# Altium PCB PCB_Amplifier.PcbDoc (part 3 of 4)
Units mm, origin at the board's own origin, x right, y up, seen from the top; angles counter-clockwise.
Board outline 86.5 x 99 mm, 4 copper layers (Top Layer, GND, VDD, Bottom Layer); 211 components, 150 nets, 661 pads, 341 vias.
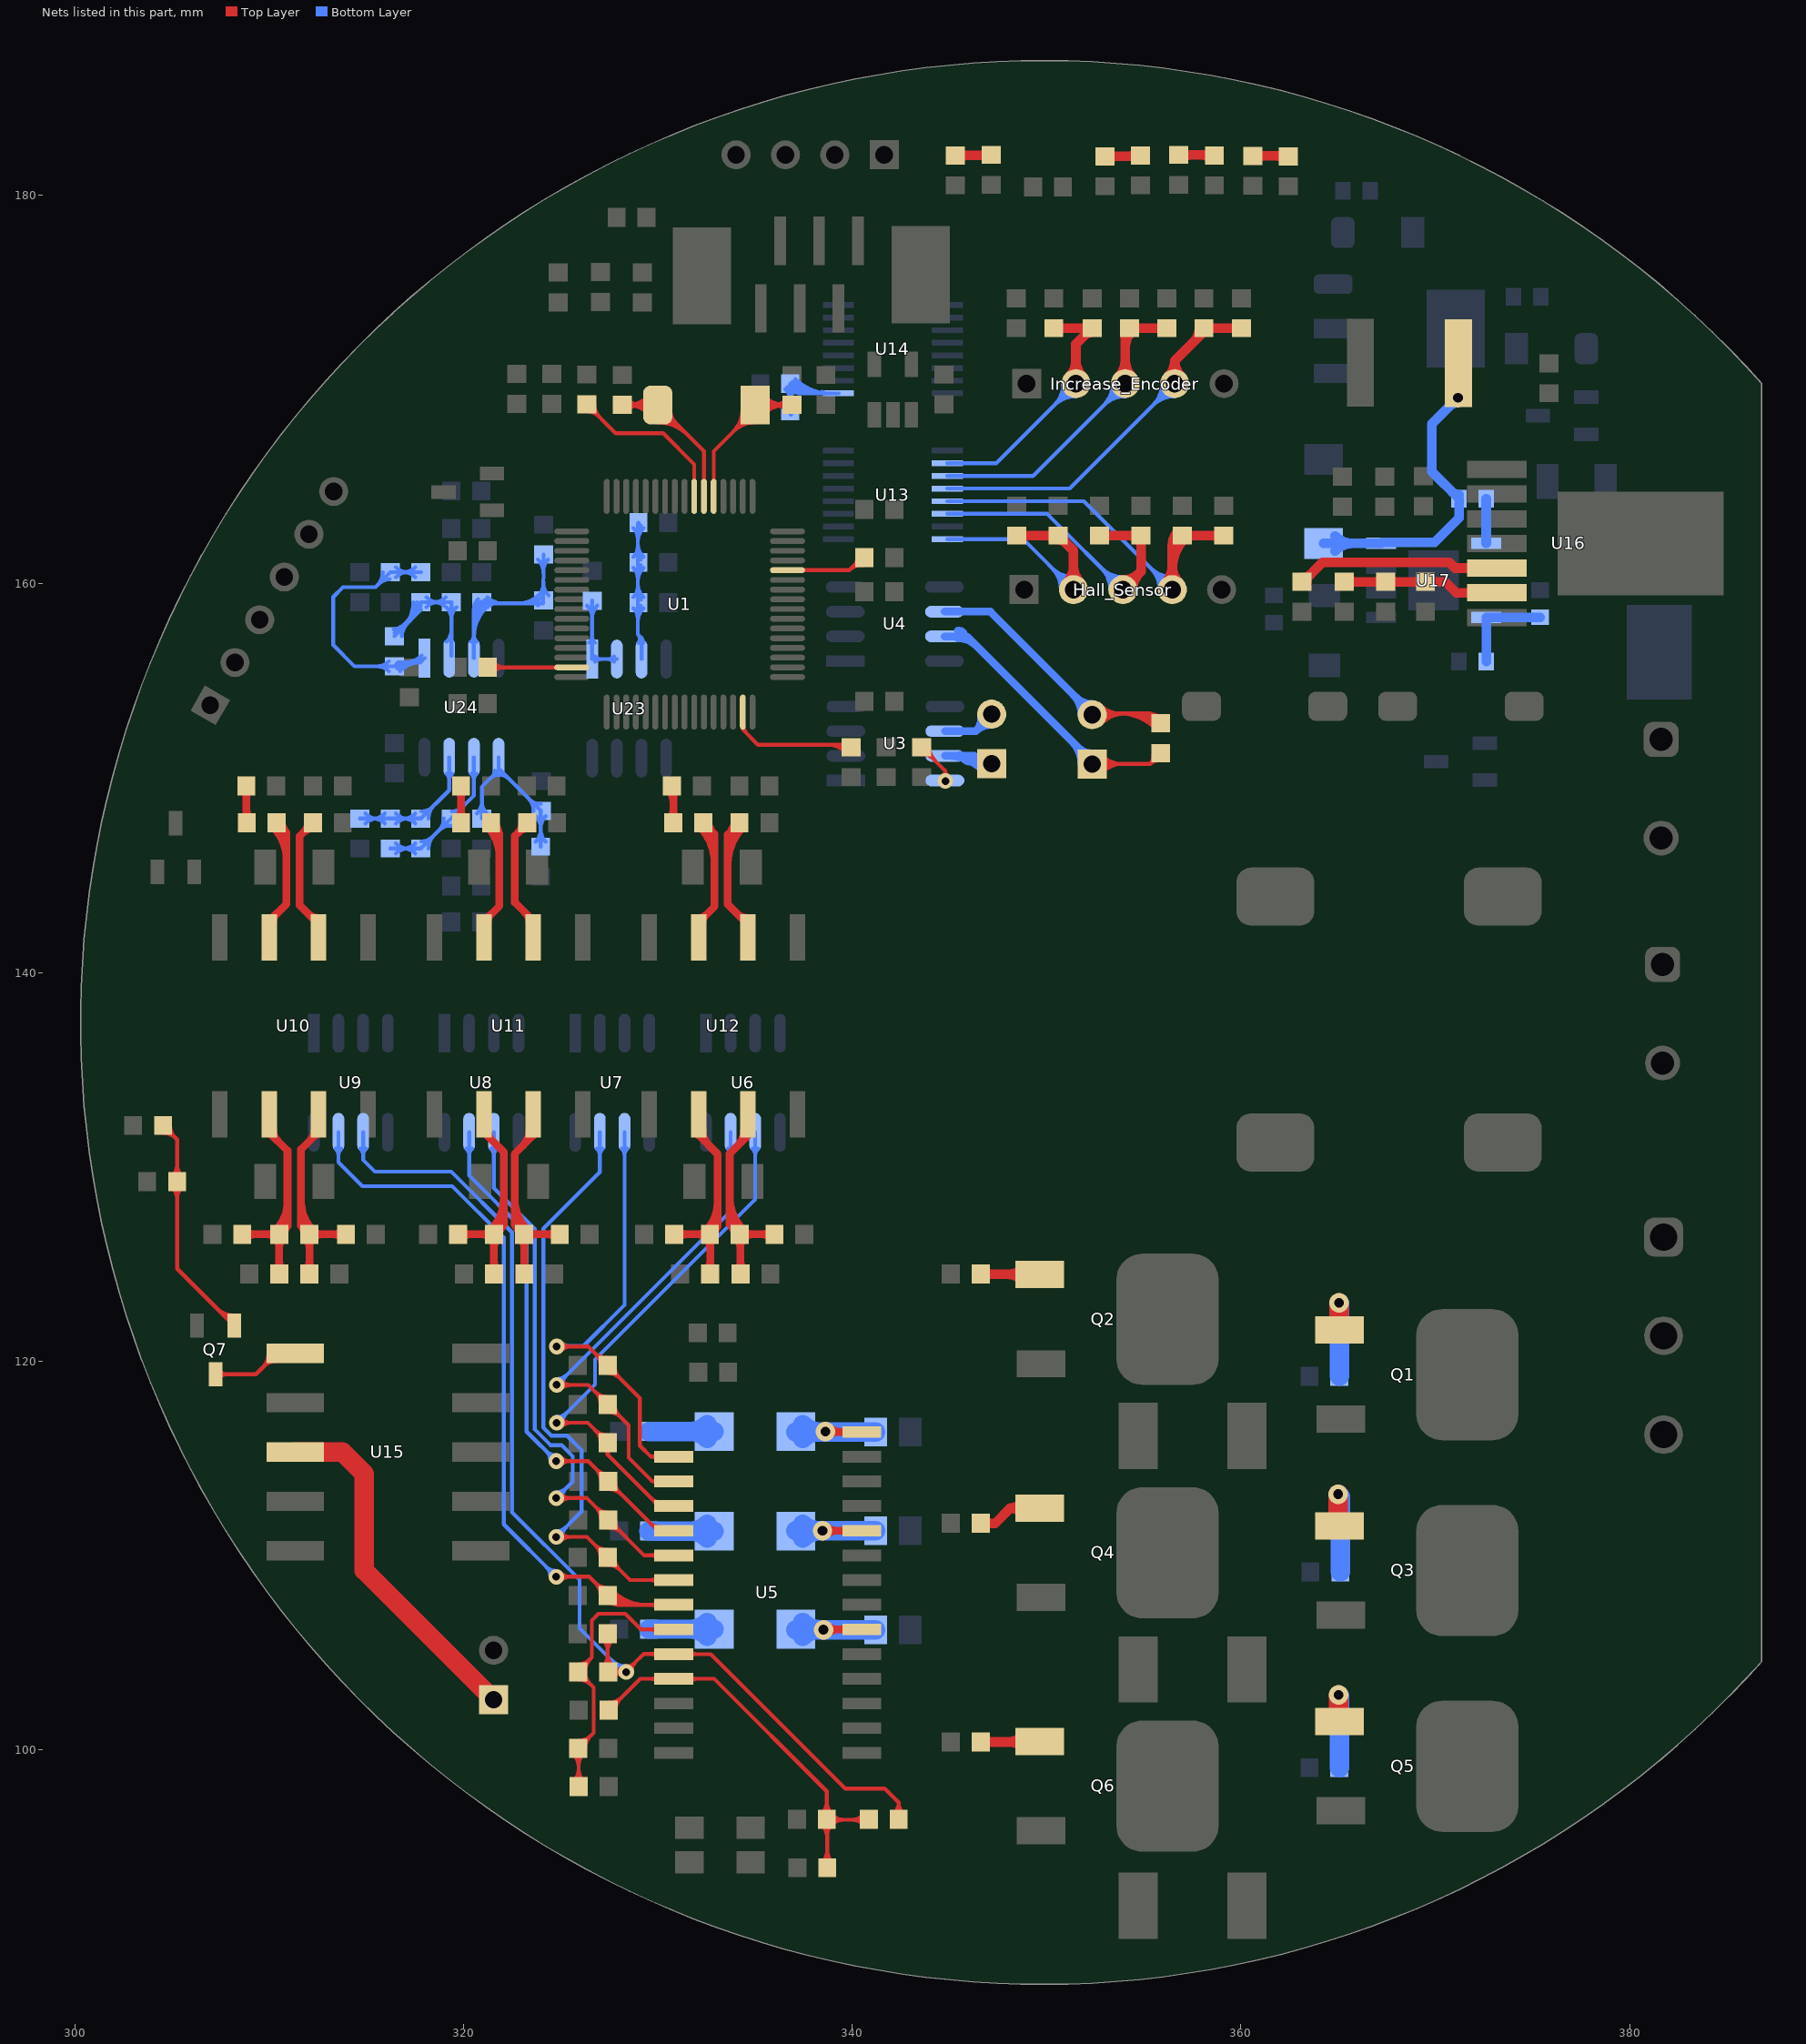
[diagram p5: the nets of this part, all layers, seen from the top]

## Via types
v1: diameter 0.6, hole 0.3, Top Layer to Bottom Layer, 223 vias
v2: diameter 1, hole 0.5, Top Layer to Bottom Layer, 58 vias
v3: diameter 0.8, hole 0.4, Top Layer to Bottom Layer, 52 vias
v4: diameter 3, hole 2.5, Top Layer to Bottom Layer, 7 vias
v5: diameter 0.8, hole 0.4, Top Layer to Bottom Layer, tented bottom, 1 vias

## Nets (pads, with @x,y where several pads share a name; then routed paths per layer and width w, separated by ;. In a path a pad name is that pad's centre, name@x,y a point inside that pad or via, vN(x,y) a via of type N, cw(c..) or ccw(c..) an arc to the next point about the centre after c; other vN are vias at no path point) (continued)
EN: R30.1 R31.2 R32.1 U5.10 U9.6 | length 69.5
  Top Layer w0.2: R30.1@327.162,105.69 cw(c326.539,105.067) 327.42,105.067 cw(c328.301,105.067) R30.1@327.678,105.69 ; R31.2@327.187,104.288 ccw(c326.624,104.85) 327.42,104.85 ; R31.2@327.42,104.03 R30.1@327.42,105.973 ; 327.42,104.971 ccw(c328.387,104.971) R31.2@327.703,104.288 ; R31.2@327.445,104.005 328.355,104.005 328.815,104.465 ; R31.2@327.64,104.005 cw(c327.64,103.265) v3@328.163,103.788 ; R31.2@327.662,104.005 ccw(c327.662,104.713) v3@328.163,104.212 ; R31.2@327.703,103.746 cw(c328.326,103.123) 328.326,104.005 cw(c328.326,104.886) R31.2@327.703,104.263 ; v3@328.083,103.93 ccw(c327.833,103.87) 327.899,104.119 ccw(c327.963,104.354) v3@328.147,104.196 ; v3@328.083,104.068 cw(c327.853,104.122) 327.914,103.894 cw(c327.969,103.69) v3@328.136,103.818 ; v3@328.389,104.3 ccw(c328.415,104.865) 328.815,104.465 ; v3@328.672,104.041 cw(c329.17,104.109) 328.815,104.465 ; 329.63,104.925 cw(c329.63,104.425) U5.10@329.984,104.779 ; 329.654,104.925 ccw(c329.654,105.391) U5.10@329.984,105.061 ; U5.10@331.666,104.779 cw(c332.008,104.437) 332.008,104.92 cw(c332.008,105.403) U5.10@331.666,105.061 ; R32.1@342.148,96.719 ccw(c341.634,97.28) 342.395,97.28 ; R32.1@342.395,96.425 342.395,97.28 ; R32.1@342.642,96.719 cw(c343.156,97.28) 342.395,97.28 ; 328.815,104.465 329.275,104.925 330.82,104.925 U5.10@330.825,104.92 332.73,104.92 339.65,98 341.675,98 342.395,97.28
  Bottom Layer w0.2: U9.6@314.699,130.934 cw(c314.357,130.592) 314.84,130.592 cw(c315.323,130.592) U9.6@314.981,130.934 ; U9.6@314.84,131.775 314.84,130.36 315.45,129.75 319.375,129.75 322.5,126.625 322.5,112.225 325.975,108.75 325.975,106.25 v3@328.3,103.925 ; 327.607,104.618 ccw(c328.375,105.386) v3@328.375,104.3 ; 327.948,104.277 ccw(c328.375,104.704) v3@328.375,104.1 ; 327.969,104.256 cw(c327.713,104) v3@328.075,104 ; v3(328.375,104) v3@328.375,104.025
FAULT: R29.1 U5.8 U9.7 | length 48.3
  Top Layer w0.2: v3(324.775,108.9) 326.475,108.9 327.42,107.955 R29.1@327.42,107.941 327.901,107.46 ; v3@324.987,108.688 cw(c325.499,108.176) 325.499,108.9 cw(c325.499,109.624) v3@324.987,109.112 ; 326.778,108.597 ccw(c327.42,109.238) R29.1@327.42,108.331 ; 326.805,108.57 cw(c326.2,107.966) R29.1@327.055,107.966 ; R29.1@327.254,107.75 ccw(c327.953,108.449) 327.953,107.46 ; R29.1@327.395,107.891 ccw(c328.436,108.932) 328.436,107.46 ; R29.1@327.515,107.563 cw(c327.618,107.177) 327.901,107.46 ; R29.1@327.537,108.033 ccw(c328.919,109.415) 328.919,107.46 ; R29.1@327.678,108.174 ccw(c329.402,109.898) 329.402,107.46 ; R29.1@327.779,107.85 ccw(c328.212,107.771) 327.901,107.46 ; U5.8@329.984,107.319 ccw(c329.642,106.977) 329.642,107.46 ccw(c329.642,107.943) U5.8@329.984,107.601 ; U5.8@330.825,107.46 327.901,107.46
  Bottom Layer w0.2: U9.7@313.429,130.934 cw(c313.087,130.592) 313.57,130.592 cw(c314.053,130.592) U9.7@313.711,130.934 ; U9.7@313.57,131.775 313.57,130.23 314.8,129 319.425,129 322.075,126.35 322.075,111.6 v3(324.775,108.9) ; v3@324.475,108.9 ccw(c323.751,108.9) 324.263,109.412 ccw(c324.775,109.924) v3@324.775,109.2
HIN1: R9.1 U5.2 U7.6 | length 29.9
  Top Layer w0.2: v3(324.8,120.75) 326.42,120.75 329.075,118.095 329.075,115.65 329.645,115.08 ; v3@325.012,120.538 cw(c325.524,120.026) 325.524,120.75 cw(c325.524,121.474) v3@325.012,120.962 ; 326.712,120.458 ccw(c327.42,121.167) R9.1@327.42,120.165 ; 326.832,120.338 cw(c326.295,119.8) R9.1@327.055,119.8 ; R9.1@327.053,120.117 ccw(c327.42,120.484) R9.1@327.42,119.965 ; R9.1@327.42,119.385 cw(c327.42,118.504) 328.043,119.127 cw(c328.666,119.75) R9.1@327.785,119.75 ; U5.2@329.983,114.939 ccw(c329.645,114.604) 329.645,115.08 ; U5.2@329.983,115.221 cw(c329.645,115.556) 329.645,115.08 ; U5.2@330.825,115.08 329.645,115.08
  Bottom Layer w0.2: v3@324.9,120.775 326.175,120.775 328.29,122.89 U7.6@328.29,131.775 ; v3@325.012,120.538 cw(c325.585,119.965) 325.585,120.775 ; v3@325.012,120.962 ccw(c325.464,121.414) 325.464,120.775 ; U7.6@328.149,130.934 cw(c327.807,130.592) 328.29,130.592 cw(c328.773,130.592) U7.6@328.431,130.934
HIN2: R6.1 U5.3 U6.7 | length 32.2
  Top Layer w0.2: v3(324.8,118.775) 326.427,118.775 328.5,116.702 328.5,115.025 329.715,113.81 ; v3@325.012,118.563 cw(c325.524,118.051) 325.524,118.775 cw(c325.524,119.499) v3@325.012,118.987 ; 326.766,118.436 ccw(c327.42,119.09) R6.1@327.42,118.165 ; 326.81,118.392 cw(c326.218,117.8) R6.1@327.055,117.8 ; R6.1@327.42,117.385 cw(c327.42,116.427) 328.097,117.104 ; R6.1@327.785,117.75 ccw(c328.589,117.75) 328.021,117.181 ; U5.3@329.967,113.687 ccw(c329.715,113.49) 329.715,113.81 ; U5.3@329.967,113.933 cw(c329.715,114.13) 329.715,113.81 ; U5.3@330.825,113.81 329.715,113.81
  Bottom Layer w0.2: v3(324.8,118.775) 333.745,127.72 U6.7@333.745,131.775 ; v3@324.8,119.075 ccw(c324.8,119.799) 325.312,119.287 ccw(c325.824,118.775) v3@325.1,118.775 ; U6.7@333.604,130.934 cw(c333.262,130.592) 333.745,130.592 cw(c334.228,130.592) U6.7@333.886,130.934
HIN3: R7.1 U5.4 U6.6 | length 33.2
  Top Layer w0.2: v3(324.8,116.825) 326.395,116.825 R7.1@327.42,115.8 327.42,115.18 ; v3@325.012,116.613 cw(c325.524,116.101) 325.524,116.825 cw(c325.524,117.549) v3@325.012,117.037 ; 326.754,116.466 ccw(c327.42,117.132) R7.1@327.42,116.19 ; 326.815,116.405 cw(c326.234,115.825) R7.1@327.055,115.825 ; R7.1@327.255,115.45 cw(c327.118,115.18) 327.42,115.18 ; R7.1@327.585,115.45 ccw(c327.722,115.18) 327.42,115.18 ; 329.673,112.927 ccw(c330.125,113.38) U5.4@330.125,112.74 ; U5.4@329.83,112.77 cw(c329.599,112.54) U5.4@329.925,112.54 ; U5.4@330.825,112.54 330.06,112.54 327.42,115.18
  Bottom Layer w0.2: v3(324.8,116.825) 326.775,118.8 326.775,120.075 335.015,128.315 U6.6@335.015,131.775 ; v3@324.8,117.125 ccw(c324.8,117.849) 325.312,117.337 ccw(c325.824,116.825) v3@325.1,116.825 ; U6.6@334.874,130.934 cw(c334.532,130.592) 335.015,130.592 cw(c335.498,130.592) U6.6@335.156,130.934
LIN1: R10.1 U5.5 U8.7 | length 32.3
  Top Layer w0.2: v3(324.775,114.85) 326.415,114.85 U5.5@329.995,111.27 ; v3@324.987,114.638 cw(c325.499,114.126) 325.499,114.85 cw(c325.499,115.574) v3@324.987,115.062 ; 326.814,114.451 ccw(c327.445,115.082) R10.1@327.445,114.19 ; 326.825,114.44 cw(c326.21,113.825) R10.1@327.08,113.825 ; R10.1@327.445,113.41 cw(c327.445,112.419) 328.146,113.12 ; R10.1@327.445,113.61 cw(c327.445,113.102) R10.1@327.804,113.461 ; R10.1@327.81,113.775 ccw(c328.581,113.775) 328.036,113.229 ; 329.562,111.703 ccw(c330.125,112.266) U5.5@330.125,111.47
  Bottom Layer w0.2: U8.7@320.154,130.934 cw(c319.812,130.592) 320.295,130.592 cw(c320.778,130.592) U8.7@320.436,130.934 ; U8.7@320.295,131.775 320.295,129.555 323.25,126.6 323.25,116.375 v3(324.775,114.85) ; v3@324.475,114.85 ccw(c323.751,114.85) 324.263,115.362 ccw(c324.775,115.874) v3@324.775,115.15
LIN2: R11.1 U5.6 U8.6 | length 35.4
  Top Layer w0.2: v3(324.775,112.95) 326.347,112.95 R11.1@327.42,111.877 ; v3@324.987,112.738 cw(c325.499,112.226) 325.499,112.95 cw(c325.499,113.674) v3@324.987,113.162 ; 326.82,112.477 cw(c326.193,111.85) R11.1@327.08,111.85 ; 326.826,112.471 ccw(c327.445,113.091) R11.1@327.445,112.215 ; R11.1@327.445,111.435 cw(c327.445,110.428) 328.157,111.14 ; R11.1@327.445,111.635 cw(c327.445,111.11) R11.1@327.816,111.481 ; R11.1@327.459,111.839 329.297,110 U5.6@330.825,110 ; R11.1@327.81,111.8 ccw(c328.565,111.8) 328.031,111.266 ; U5.6@329.984,109.859 ccw(c329.642,109.517) 329.642,110 ccw(c329.642,110.483) U5.6@329.984,110.141
  Bottom Layer w0.2: U8.6@321.424,130.934 cw(c321.082,130.592) 321.565,130.592 cw(c322.048,130.592) U8.6@321.706,130.934 ; U8.6@321.565,131.775 321.565,128.91 323.675,126.8 323.675,116.475 324.475,115.675 325.05,115.675 325.625,115.1 325.625,113.8 v3(324.775,112.95) ; v3@324.775,113.25 ccw(c324.775,113.974) 325.287,113.462 ccw(c325.799,112.95) v3@325.075,112.95
LIN3: R8.1 U5.7 U7.7 | length 37.8
  Top Layer w0.2: v3(324.775,110.95) 326.354,110.95 R8.1@327.395,109.909 ; v3@324.987,110.738 cw(c325.499,110.226) 325.499,110.95 cw(c325.499,111.674) v3@324.987,111.162 ; 326.727,110.577 ccw(c327.42,111.27) R8.1@327.42,110.29 ; 326.826,110.478 cw(c326.273,109.925) R8.1@327.055,109.925 ; R8.1@327.068,110.236 ccw(c327.42,110.587) R8.1@327.42,110.09 ; R8.1@327.412,109.892 328.574,108.73 U5.7@330.825,108.73 ; R8.1@327.42,109.51 cw(c327.42,108.607) 328.059,109.245 ; R8.1@327.785,109.875 ccw(c328.644,109.875) 328.037,109.267 ; U5.7@329.984,108.589 ccw(c329.642,108.247) 329.642,108.73 ccw(c329.642,109.213) U5.7@329.984,108.871
  Bottom Layer w0.2: v3(324.775,110.95) 326.075,112.25 326.075,115.425 325.335,116.165 324.527,116.165 324.11,116.582 324.11,126.81 327.02,129.72 U7.7@327.02,131.775 ; v3@324.775,111.25 ccw(c324.775,111.974) 325.287,111.462 ccw(c325.799,110.95) v3@325.075,110.95 ; U7.7@326.879,130.934 cw(c326.537,130.592) 327.02,130.592 cw(c327.503,130.592) U7.7@327.161,130.934
NetBrake_1: Brake.1 U15.3 | length 18.4
  Top Layer w1: U15.3@311.34,115.32 313.78,115.32 314.9,114.2 314.9,109.225 Brake.1@321.55,102.575
NetC1_2: C1.2 U1.47 | length 9.1
  Top Layer w0.2: U1.47@334.375,153.4 334.375,152.5 335.165,151.71 C1.2@339.835,151.71 ; U1.47@334.425,152.65 ccw(c334.908,152.65) 334.566,152.309 ; 338.766,151.71 cw(c338.766,150.436) C1.2@339.667,151.337 ; 339.249,151.71 cw(c339.249,150.919) C1.2@339.808,151.478 ; 339.321,151.71 ccw(c339.321,152.199) C1.2@339.667,151.853
NetC2_2: C2.2 U1.31 | length 5.7
  Top Layer w0.2: C2.2@321.245,155.7 U1.31@325.575,155.7 ; C2.2@321.503,155.442 cw(c322.126,154.819) 322.126,155.7 cw(c322.126,156.581) C2.2@321.503,155.958
NetC3_1: C3.1 U1.7 | length 9.8
  Top Layer w0.2: C3.1@326.35,169.23 327.83,167.75 330.275,167.75 331.875,166.15 U1.7@331.875,164.5 ; C3.1@326.375,168.865 cw(c326.375,168.044) 326.955,168.625 ; C3.1@326.74,169.23 ccw(c327.682,169.23) 327.016,168.564
NetC4_1: C4.1 U1.6 Y1.1 | length 17.8
  Top Layer w0.2: C4.1@328.175,169.205 Y1.1@329.995,169.205 ; C4.1@328.419,169.205 cw(c328.419,167.619) Y1.1@329.54,168.74 ; C4.1@328.443,169.205 ccw(c328.443,170.757) Y1.1@329.54,169.66 ; C4.1@328.458,168.947 cw(c329.081,168.324) 329.081,169.205 cw(c329.081,170.086) C4.1@328.458,169.463 ; 328.902,169.205 cw(c328.902,168.102) Y1.1@329.682,168.882 ; 328.926,169.205 ccw(c328.926,170.274) Y1.1@329.682,169.518 ; Y1.1@330,168.3 cw(c330,166.127) 331.536,167.664 ; Y1.1@330,168.5 cw(c330,166.81) 331.195,168.005 ; Y1.1@330,168.7 cw(c330,167.493) 330.854,168.346 ; Y1.1@330,169.2 332.375,166.825 U1.6@332.375,164.5 ; Y1.1@330.65,168.95 ccw(c331.616,168.95) 330.933,168.267
NetC5_1: C5.1 U1.5 Y1.2 | length 17.2
  Top Layer w0.2: U1.5@332.875,164.5 332.875,166.825 335,168.95 Y1.2@335,169.2 C5.1@336.895,169.2 ; Y1.2@334.35,168.95 cw(c332.781,168.95) 333.89,167.84 cw(c335,166.731) Y1.2@335,168.3 ; Y1.2@334.55,168.95 cw(c333.464,168.95) 334.232,168.182 cw(c335,167.414) Y1.2@335,168.5 ; Y1.2@335.318,168.882 cw(c336.086,168.114) 336.086,169.2 cw(c336.086,170.286) Y1.2@335.318,169.518 ; Y1.2@335.46,168.74 cw(c336.569,167.631) 336.569,169.2 cw(c336.569,170.769) Y1.2@335.46,169.66 ; 335.982,169.2 ccw(c335.982,170.098) C5.1@336.617,169.463 ; 336.006,169.2 cw(c336.006,168.336) C5.1@336.617,168.947
NetC21_1: C21.1 D1.2 U5.28 | length 9
  Top Layer w0.4: v2@338.65,116.35 U5.28@340.5,116.35 ; v2@338.837,116.163 cw(c339.289,115.711) 339.289,116.35 ; v2@338.837,116.587 ccw(c339.41,117.16) 339.41,116.35
  Bottom Layer w1: D1.2@337.1,116.35 C21.1@341.21,116.35 ; D1.2@337.454,116.021 cw(c338.247,115.228) v2@338.247,116.35 ; D1.2@337.454,116.729 ccw(c338.367,117.642) v2@338.367,116.35
  other v2: 338.625,116.375
NetC22_1: C22.1 D2.2 U5.24 | length 9.2
  Top Layer w0.4: v2@338.48,111.27 U5.24@340.5,111.27 ; v2@338.687,111.063 cw(c339.187,110.563) 339.187,111.27 ; v2@338.687,111.487 ccw(c339.211,112.011) 339.211,111.27
  Bottom Layer w1: D2.2@337.1,111.275 C22.1@341.21,111.275 ; D2.2@337.454,110.896 cw(c338.367,109.983) v2@338.367,111.275 ; D2.2@337.454,111.604 ccw(c338.247,112.397) v2@338.247,111.275
  other v2: 338.475,111.275
NetC23_1: C23.1 D3.2 U5.20 | length 9.1
  Top Layer w0.4: v2@338.54,106.19 U5.20@340.5,106.19 ; v2@338.737,105.963 cw(c339.285,105.415) 339.285,106.19 ; v2@338.737,106.387 ccw(c339.213,106.863) 339.213,106.19
  Bottom Layer w1: D3.2@337.1,106.175 C23.1@341.21,106.175 ; D3.2@337.454,105.846 cw(c338.247,105.053) v2@338.247,106.175 ; D3.2@337.454,106.554 ccw(c338.367,107.467) v2@338.367,106.175
  other v2: 338.525,106.175
NetC25_2: C25.2 R15.1 R32.2 R33.1 U5.11 | length 30.5
  Top Layer w0.2: R15.1@327.47,102.036 327.486,102.036 329.1,103.65 U5.11@330.825,103.65 332.9,103.65 338.695,97.855 R33.1@338.695,96.425 ; R15.1@327.47,102.226 ccw(c327.47,102.725) R15.1@327.822,102.372 ; R15.1@327.47,102.426 ccw(c327.47,103.407) 328.164,102.714 ; R15.1@327.835,102.061 cw(c328.616,102.061) 328.064,102.614 ; U5.11@329.984,103.509 ccw(c329.642,103.167) 329.642,103.65 ccw(c329.642,104.133) U5.11@329.984,103.791 ; U5.11@331.666,103.509 cw(c332.008,103.167) 332.008,103.65 cw(c332.008,104.133) U5.11@331.666,103.791 ; R33.1@338.437,96.142 cw(c337.753,95.458) 338.72,95.458 ; R33.1@338.437,96.708 ccw(c337.814,97.331) 338.695,97.331 ccw(c339.576,97.331) R33.1@338.953,96.708 ; C25.2@338.462,94.208 ccw(c337.839,94.831) 338.72,94.831 ccw(c339.601,94.831) C25.2@338.978,94.208 ; C25.2@338.72,93.925 338.72,96.4 R32.2@340.83,96.4 ; 338.72,95.579 cw(c339.516,95.579) 338.953,96.142 cw(c339.576,95.519) 339.576,96.4 cw(c339.576,97.281) R33.1@338.953,96.658 ; R32.2@340.597,96.142 ccw(c339.974,95.519) 339.974,96.4 ccw(c339.974,97.281) R32.2@340.597,96.658
NetC31_1: C31.1 C32.2 R35.2 U10.3 | length 16.8
  Top Layer w0.4: 311.65,127.238 ccw(c312.758,127.238) C31.1@311.975,126.455 ; 311.65,128.204 ccw(c313.724,128.204) C31.1@312.257,126.737 ; C31.1@311.883,126.313 cw(c311.406,125.836) 312.08,125.836 ; C32.2@311.893,124.687 ccw(c311.44,125.14) 312.08,125.14 ccw(c312.72,125.14) C32.2@312.267,124.687 ; C31.1@312.07,126.525 311.65,126.945 311.65,130.9 U10.3@312.545,131.795 ; C32.2@312.08,124.475 C31.1@312.08,126.515 ; 312.08,125.884 cw(c312.686,125.884) C31.1@312.257,126.313 ; C31.1@312.08,126.525 R35.2@313.955,126.525 ; 312.129,131.379 ccw(c311.609,131.9) U10.3@312.345,131.9 ; C31.1@312.257,126.338 cw(c312.71,125.885) 312.71,126.525 cw(c312.71,127.165) C31.1@312.257,126.712 ; R35.2@313.768,126.338 ccw(c313.315,125.885) 313.315,126.525 ccw(c313.315,127.165) R35.2@313.768,126.712
NetC31_2: C31.2 C33.2 R34.2 U10.2 | length 16.9
  Top Layer w0.4: R34.2@308.62,126.525 C31.2@310.53,126.525 310.95,126.945 310.95,130.825 U10.2@310.005,131.77 ; R34.2@308.807,126.338 cw(c309.26,125.885) 309.26,126.525 cw(c309.26,127.165) R34.2@308.807,126.712 ; U10.2@310.205,131.9 ccw(c311.002,131.9) 310.438,131.337 ; C33.2@310.333,124.687 ccw(c309.88,125.14) 310.52,125.14 ccw(c311.16,125.14) C33.2@310.707,124.687 ; C31.2@310.343,126.313 cw(c309.914,125.884) 310.52,125.884 ; C31.2@310.343,126.338 ccw(c309.89,125.885) 309.89,126.525 ccw(c309.89,127.165) C31.2@310.343,126.712 ; C31.2@310.343,126.737 ccw(c308.876,128.204) 310.95,128.204 ; C33.2@310.52,124.475 C31.2@310.52,126.515 ; 310.52,125.836 cw(c311.194,125.836) C31.2@310.717,126.313 ; C31.2@310.625,126.455 ccw(c309.842,127.238) 310.95,127.238
NetC41_1: C41.1 C42.2 R45.2 U11.3 | length 18.3
  Top Layer w0.4: 322.635,127.395 ccw(c323.965,127.395) C41.1@323.025,126.455 ; 322.635,128.361 ccw(c324.931,128.361) C41.1@323.307,126.737 ; C41.1@322.685,126.96 cw(c322.276,126.55) C41.1@322.855,126.55 ; C41.1@322.933,126.313 cw(c322.456,125.836) 323.13,125.836 ; C42.2@322.943,124.687 ccw(c322.49,125.14) 323.13,125.14 ccw(c323.77,125.14) C42.2@323.317,124.687 ; 323.056,131.081 ccw(c322.236,131.9) U11.3@323.395,131.9 ; C41.1@323.116,126.815 cw(c323.106,127.481) 322.635,127.01 ; C42.2@323.13,124.475 323.13,126.515 C41.1@323.12,126.525 ; 323.13,125.884 cw(c323.736,125.884) C41.1@323.307,126.313 ; C41.1@323.307,126.338 cw(c323.76,125.885) 323.76,126.525 cw(c323.76,127.165) C41.1@323.307,126.712 ; U11.3@323.595,131.62 322.635,130.66 322.635,127.01 ; R45.2@324.768,126.338 ccw(c324.315,125.885) 324.315,126.525 ccw(c324.315,127.165) R45.2@324.768,126.712 ; R45.2@324.955,126.525 C41.1@323.12,126.525 ; 322.635,127.01 C41.1@323.12,126.525
NetC41_2: C41.2 C43.2 R44.2 U11.2 | length 18.3
  Top Layer w0.4: R44.2@319.72,126.525 C41.2@321.58,126.525 322.075,127.02 ; R44.2@319.907,126.338 cw(c320.36,125.885) 320.36,126.525 cw(c320.36,127.165) R44.2@319.907,126.712 ; U11.2@321.055,131.77 322.075,130.75 322.075,127.02 ; U11.2@321.255,131.9 ccw(c322.052,131.9) 321.488,131.337 ; C43.2@321.383,124.687 ccw(c320.93,125.14) 321.57,125.14 ccw(c322.21,125.14) C43.2@321.757,124.687 ; C41.2@321.393,126.313 cw(c320.964,125.884) 321.57,125.884 ; C41.2@321.393,126.338 ccw(c320.94,125.885) 320.94,126.525 ccw(c320.94,127.165) C41.2@321.393,126.712 ; C41.2@321.393,126.737 ccw(c319.745,128.385) 322.075,128.385 ; C43.2@321.57,124.475 C41.2@321.57,126.515 ; 321.57,125.836 cw(c322.244,125.836) C41.2@321.767,126.313 ; C41.2@321.58,126.815 ccw(c321.58,127.515) 322.075,127.02 ; C41.2@321.675,126.455 ccw(c320.711,127.419) 322.075,127.419 ; C41.2@321.845,126.55 cw(c322.424,126.55) C41.2@322.015,126.96
NetC51_1: C51.1 C52.2 R55.2 U12.3 | length 18.5
  Top Layer w0.4: 333.7,127.479 ccw(c335.149,127.479) C51.1@334.125,126.455 ; 333.7,128.445 ccw(c336.115,128.445) C51.1@334.407,126.737 ; 333.725,127.02 ccw(c334.22,127.515) C51.1@334.22,126.815 ; C51.1@333.785,126.96 cw(c333.376,126.55) C51.1@333.955,126.55 ; C51.1@334.033,126.313 cw(c333.496,125.776) 334.255,125.776 ; C52.2@334.068,124.687 ccw(c333.615,125.14) 334.255,125.14 ccw(c334.895,125.14) C52.2@334.442,124.687 ; 334.106,131.081 ccw(c333.286,131.9) U12.3@334.445,131.9 ; C52.2@334.255,124.475 334.255,126.49 C51.1@334.22,126.525 ; 334.255,125.945 cw(c334.775,125.945) C51.1@334.407,126.313 ; C51.1@334.407,126.338 cw(c334.86,125.885) 334.86,126.525 cw(c334.86,127.165) C51.1@334.407,126.712 ; U12.3@334.645,131.62 333.7,130.675 333.7,127.045 C51.1@334.22,126.525 ; R55.2@335.818,126.338 ccw(c335.365,125.885) 335.365,126.525 ccw(c335.365,127.165) R55.2@335.818,126.712 ; R55.2@336.005,126.525 C51.1@334.22,126.525
NetC51_2: C51.2 C53.2 R54.2 U12.2 | length 16.8
  Top Layer w0.4: R54.2@330.845,126.525 C51.2@332.68,126.525 333.075,126.92 333.075,130.65 U12.2@332.105,131.62 ; R54.2@331.032,126.338 cw(c331.485,125.885) 331.485,126.525 cw(c331.485,127.165) R54.2@331.032,126.712 ; U12.2@332.305,131.9 ccw(c333.464,131.9) 332.644,131.081 ; C51.2@332.493,126.313 cw(c332.004,125.824) 332.695,125.824 ; C51.2@332.493,126.338 ccw(c332.04,125.885) 332.04,126.525 ccw(c332.04,127.165) C51.2@332.493,126.712 ; C51.2@332.493,126.737 ccw(c331.087,128.143) 333.075,128.143 ; C53.2@332.508,124.687 ccw(c332.055,125.14) 332.695,125.14 ccw(c333.335,125.14) C53.2@332.882,124.687 ; C53.2@332.695,124.475 C51.2@332.695,126.51 ; 332.695,125.896 cw(c333.284,125.896) C51.2@332.867,126.313 ; C51.2@332.775,126.455 ccw(c332.052,127.178) 333.075,127.178
NetC62_2: C62.2 Hall_Sensor.2 R60.1 U13.16 | length 21.3
  Top Layer w0.5: C62.2@348.475,162.48 R60.1@350.605,162.48 351.39,161.695 Hall_Sensor.2@351.39,159.7 ; C62.2@348.652,162.328 cw(c349.019,161.961) 349.019,162.48 cw(c349.019,162.999) C62.2@348.652,162.632 ; R60.1@350.428,162.328 ccw(c350.061,161.961) 350.061,162.48 ccw(c350.061,162.999) R60.1@350.428,162.632 ; R60.1@350.63,162.265 cw(c350.63,161.806) R60.1@350.954,162.131 ; R60.1@350.845,162.48 ccw(c351.424,162.48) R60.1@351.015,162.07 ; Hall_Sensor.2@351.036,160.054 ccw(c350.183,160.907) 351.39,160.907 ccw(c352.597,160.907) Hall_Sensor.2@351.744,160.054